# KiCad board SparkFun_Qwiic_WAV_Trigger_Pro_panelized.kicad_pcb (continued)
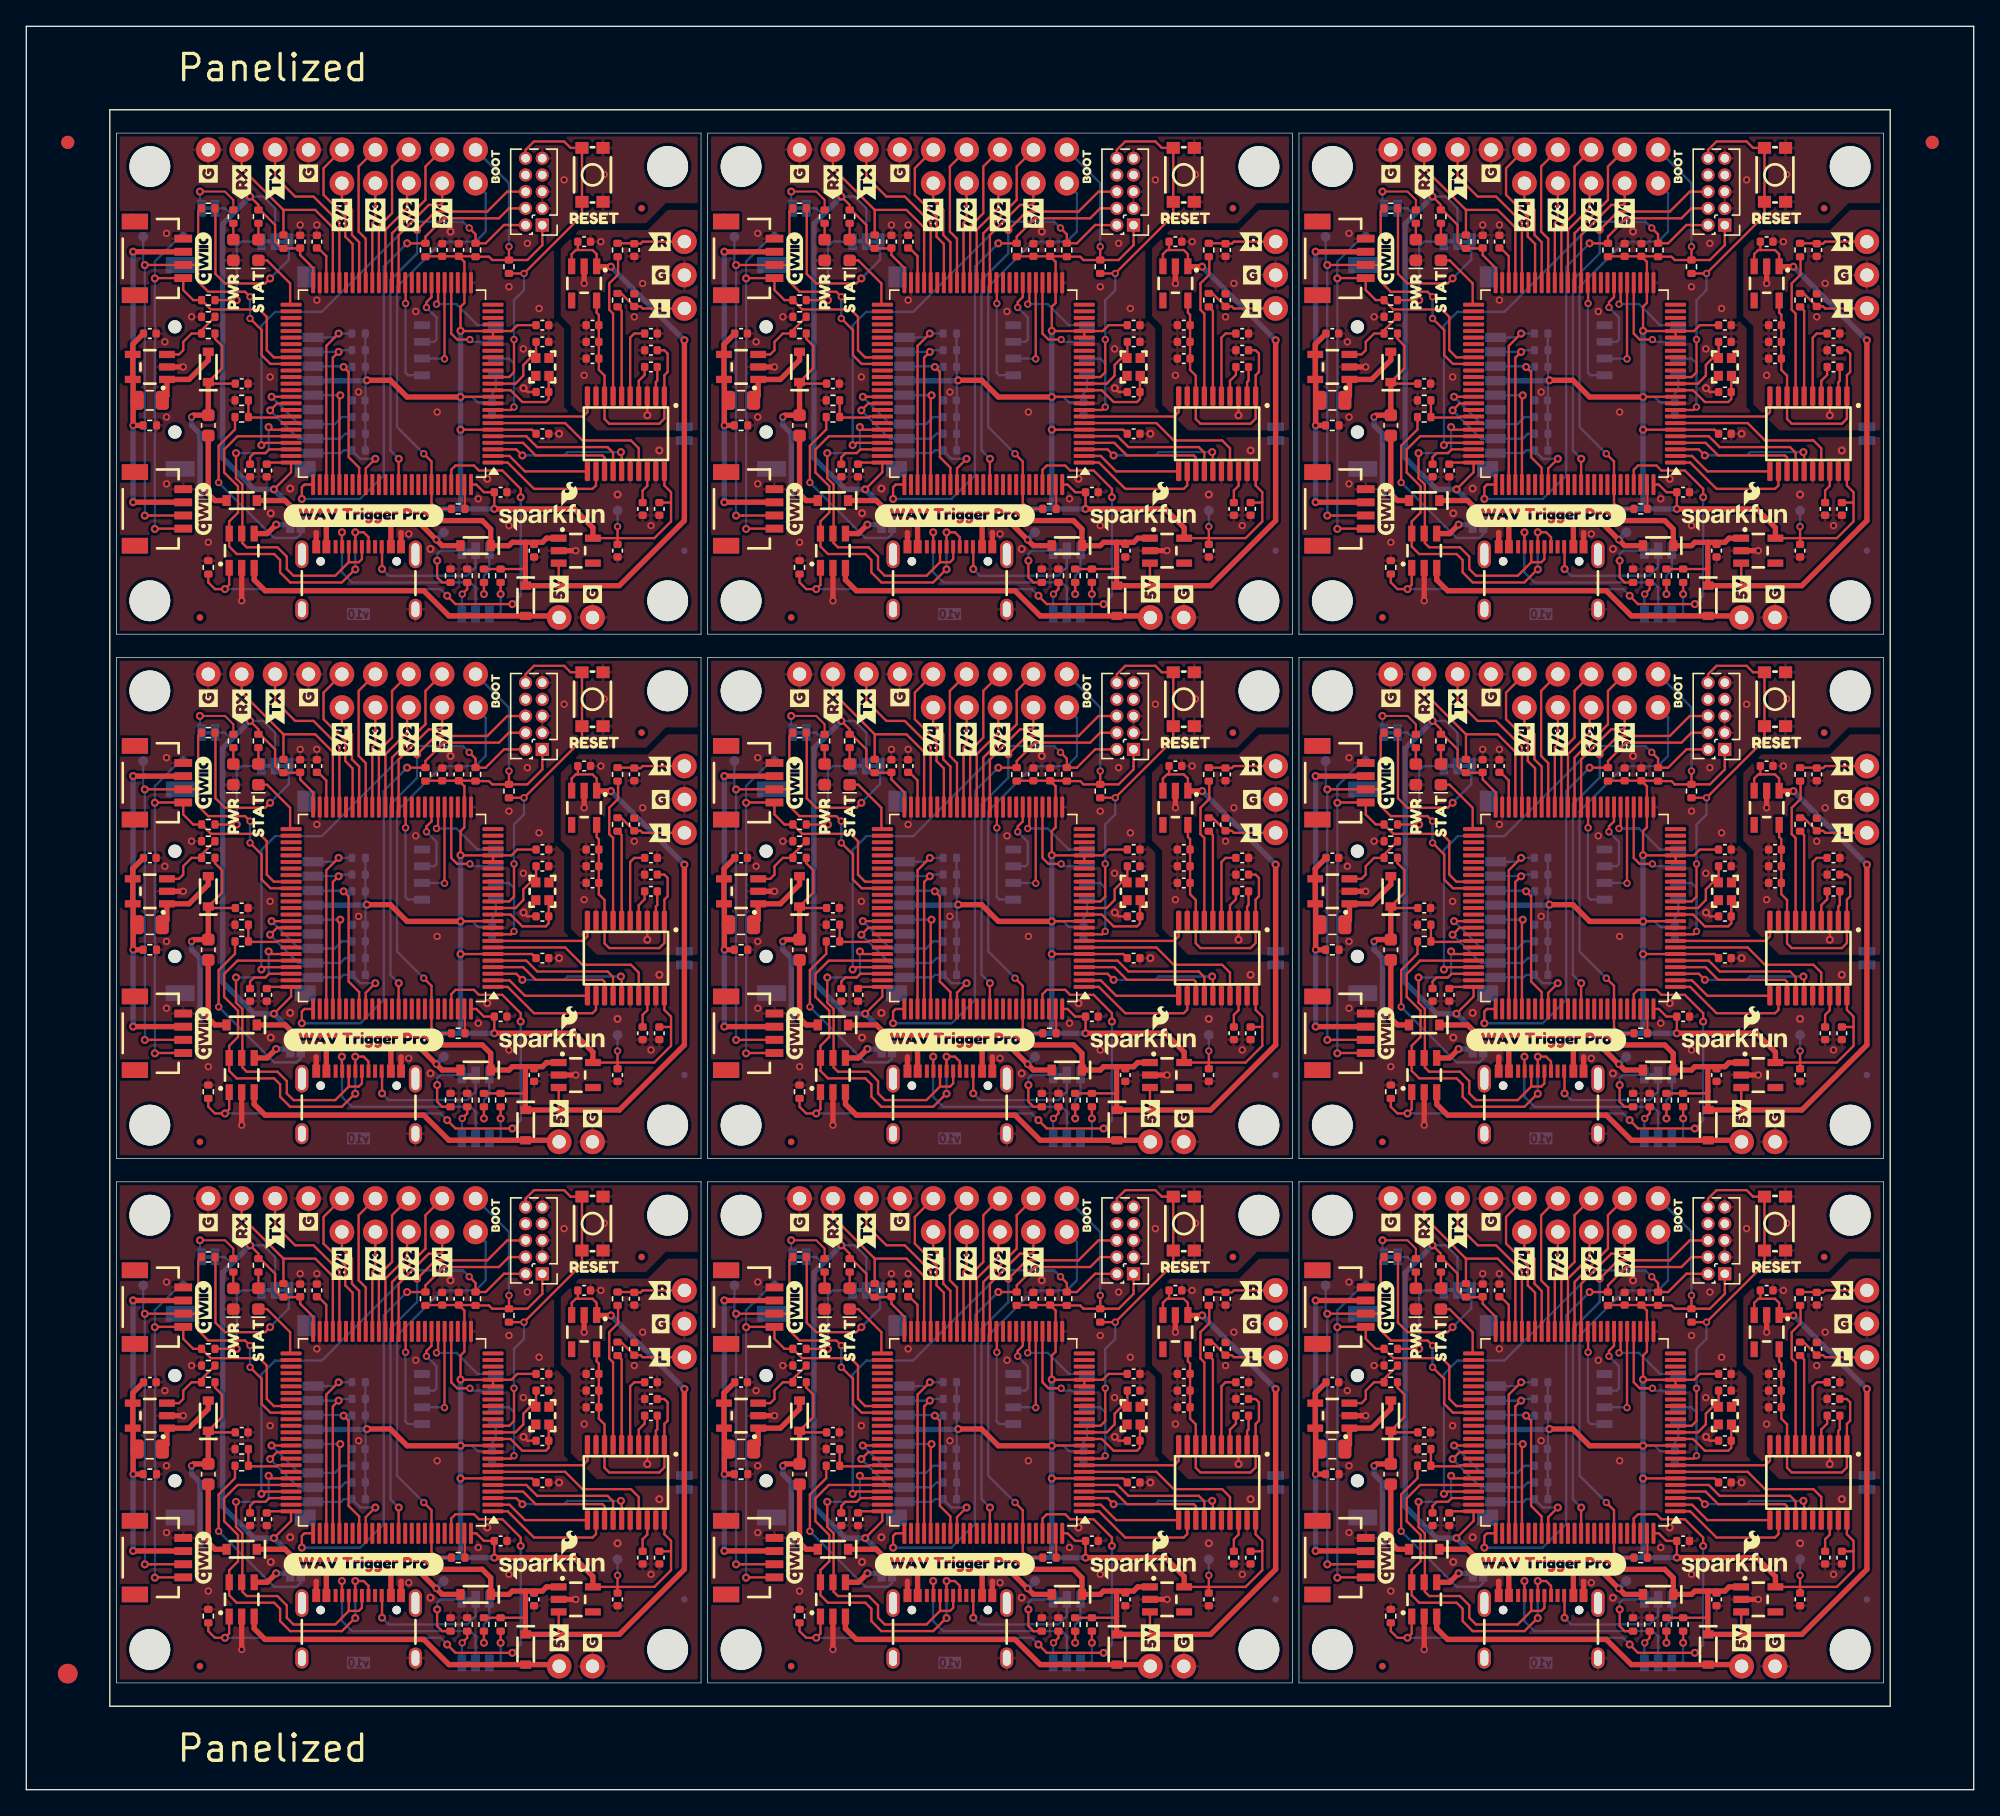
[diagram p0: board, top side]
## Placement (name value [footprint] x y rotation side) (continued)
kibuzzard-66465CD3#6  G***  [kibuzzard-66465CD3]  138.12 115.17 180 bottom
kibuzzard-66465CD3#7  G***  [kibuzzard-66465CD3]  48.22 115.17 180 bottom
kibuzzard-66465CD3#8  G***  [kibuzzard-66465CD3]  138.12 75.3 180 bottom
kibuzzard-66465CD3#9  G***  [kibuzzard-66465CD3]  48.22 35.43 180 bottom
kibuzzard-664651A6  G***  [kibuzzard-664651A6]  61.33 122.15 90 bottom
kibuzzard-664651A6#2  G***  [kibuzzard-664651A6]  106.27 82.28 90 bottom
kibuzzard-664651A6#3  G***  [kibuzzard-664651A6]  16.38 122.15 90 bottom
kibuzzard-664651A6#4  G***  [kibuzzard-664651A6]  61.33 42.41 90 bottom
kibuzzard-664651A6#5  G***  [kibuzzard-664651A6]  16.38 82.28 90 bottom
kibuzzard-664651A6#6  G***  [kibuzzard-664651A6]  61.33 82.28 90 bottom
kibuzzard-664651A6#7  G***  [kibuzzard-664651A6]  106.27 42.41 90 bottom
kibuzzard-664651A6#8  G***  [kibuzzard-664651A6]  106.27 122.15 90 bottom
kibuzzard-664651A6#9  G***  [kibuzzard-664651A6]  16.38 42.41 90 bottom
kibuzzard-664651EE  G***  [kibuzzard-664651EE]  43.05 51.04 90 bottom
kibuzzard-664651EE#2  G***  [kibuzzard-664651EE]  43.05 90.91 90 bottom
kibuzzard-664651EE#3  G***  [kibuzzard-664651EE]  87.99 11.17 90 bottom
kibuzzard-664651EE#4  G***  [kibuzzard-664651EE]  87.99 51.04 90 bottom
kibuzzard-664651EE#5  G***  [kibuzzard-664651EE]  87.99 90.91 90 bottom
kibuzzard-664651EE#6  G***  [kibuzzard-664651EE]  132.94 51.04 90 bottom
kibuzzard-664651EE#7  G***  [kibuzzard-664651EE]  132.94 90.91 90 bottom
kibuzzard-664651EE#8  G***  [kibuzzard-664651EE]  132.94 11.17 90 bottom
kibuzzard-664651EE#9  G***  [kibuzzard-664651EE]  43.05 11.17 90 bottom
kibuzzard-6646520F  G***  [kibuzzard-6646520F]  85.45 11.55 90 bottom
kibuzzard-6646520F#2  G***  [kibuzzard-6646520F]  40.51 51.42 90 bottom
kibuzzard-6646520F#3  G***  [kibuzzard-6646520F]  40.51 91.29 90 bottom
kibuzzard-6646520F#4  G***  [kibuzzard-6646520F]  85.45 51.42 90 bottom
kibuzzard-6646520F#5  G***  [kibuzzard-6646520F]  85.45 91.29 90 bottom
kibuzzard-6646520F#6  G***  [kibuzzard-6646520F]  130.41 11.55 90 bottom
kibuzzard-6646520F#7  G***  [kibuzzard-6646520F]  130.41 51.42 90 bottom
kibuzzard-6646520F#8  G***  [kibuzzard-6646520F]  130.41 91.29 90 bottom
kibuzzard-6646520F#9  G***  [kibuzzard-6646520F]  40.51 11.55 90 bottom
kibuzzard-66465103  G***  [kibuzzard-66465103]  66.41 43.17 90 bottom
kibuzzard-66465103#2  G***  [kibuzzard-66465103]  21.45 83.04 90 bottom
kibuzzard-66465103#3  G***  [kibuzzard-66465103]  21.45 122.91 90 bottom
kibuzzard-66465103#4  G***  [kibuzzard-66465103]  111.36 43.17 90 bottom
kibuzzard-66465103#5  G***  [kibuzzard-66465103]  111.36 83.04 90 bottom
kibuzzard-66465103#6  G***  [kibuzzard-66465103]  111.36 122.91 90 bottom
kibuzzard-66465103#7  G***  [kibuzzard-66465103]  66.41 83.04 90 bottom
kibuzzard-66465103#8  G***  [kibuzzard-66465103]  66.41 122.91 90 bottom
kibuzzard-66465103#9  G***  [kibuzzard-66465103]  21.45 43.17 90 bottom
kibuzzard-66465103#10  G***  [kibuzzard-66465103]  13.83 82.99 90 bottom
kibuzzard-66465103#11  G***  [kibuzzard-66465103]  58.79 43.12 90 bottom
kibuzzard-66465103#12  G***  [kibuzzard-66465103]  58.79 82.99 90 bottom
kibuzzard-66465103#13  G***  [kibuzzard-66465103]  13.83 122.86 90 bottom
kibuzzard-66465103#14  G***  [kibuzzard-66465103]  103.73 82.99 90 bottom
kibuzzard-66465103#15  G***  [kibuzzard-66465103]  58.79 122.86 90 bottom
kibuzzard-66465103#16  G***  [kibuzzard-66465103]  103.73 122.86 90 bottom
kibuzzard-66465103#17  G***  [kibuzzard-66465103]  103.73 43.12 90 bottom
kibuzzard-66465103#18  G***  [kibuzzard-66465103]  13.83 43.12 90 bottom
kibuzzard-66465190  G***  [kibuzzard-66465190]  63.86 82.28 90 bottom
kibuzzard-66465190#2  G***  [kibuzzard-66465190]  108.82 42.41 90 bottom
kibuzzard-66465190#3  G***  [kibuzzard-66465190]  108.82 82.28 90 bottom
kibuzzard-66465190#4  G***  [kibuzzard-66465190]  108.82 122.15 90 bottom
kibuzzard-66465190#5  G***  [kibuzzard-66465190]  18.92 122.15 90 bottom
kibuzzard-66465190#6  G***  [kibuzzard-66465190]  63.86 122.15 90 bottom
kibuzzard-66465190#7  G***  [kibuzzard-66465190]  18.92 82.28 90 bottom
kibuzzard-66465190#8  G***  [kibuzzard-66465190]  63.86 42.41 90 bottom
kibuzzard-66465190#9  G***  [kibuzzard-66465190]  18.92 42.41 90 bottom
L1  10uH  [C_0805_2012Metric]  54.34 105.64 0 top
L1#2  10uH  [C_0805_2012Metric]  54.34 25.9 0 top
L1#3  10uH  [C_0805_2012Metric]  54.34 65.77 0 top
L1#4  10uH  [C_0805_2012Metric]  9.39 65.77 0 top
L1#5  10uH  [C_0805_2012Metric]  9.39 105.64 0 top
L1#6  10uH  [C_0805_2012Metric]  99.29 25.9 0 top
L1#7  10uH  [C_0805_2012Metric]  99.29 105.64 0 top
L1#8  10uH  [C_0805_2012Metric]  99.29 65.77 0 top
L1#9  10uH  [C_0805_2012Metric]  9.39 25.9 0 top
L2  30Ω  [C_0603_1608Metric]  58.79 103.73 270 top
L2#2  30Ω  [C_0603_1608Metric]  13.83 63.86 270 top
L2#3  30Ω  [C_0603_1608Metric]  13.83 103.73 270 top
L2#4  30Ω  [C_0603_1608Metric]  58.79 23.99 270 top
L2#5  30Ω  [C_0603_1608Metric]  58.79 63.86 270 top
L2#6  30Ω  [C_0603_1608Metric]  103.73 63.86 270 top
L2#7  30Ω  [C_0603_1608Metric]  103.73 103.73 270 top
L2#8  30Ω  [C_0603_1608Metric]  103.73 23.99 270 top
L2#9  30Ω  [C_0603_1608Metric]  13.83 23.99 270 top
NOREF  -  [Fiducial_1.5mm_Mask3mm]  3.15 8.82 0 top
NOREF#2  -  [Fiducial_1mm_Mask3mm]  144.9 125.25 0 top
NOREF#3  -  [Fiducial_1mm_Mask3mm]  3.15 125.25 0 top
NOREF#4  -  [Fiducial_1mm_Mask3mm]  3.15 125.25 0 bottom
NOREF#5  -  [Fiducial_1.5mm_Mask3mm]  3.15 8.82 0 bottom
NOREF#6  -  [Fiducial_1mm_Mask3mm]  144.9 125.25 0 bottom
R1  10k  [R_0402_1005Metric]  13.83 53.07 90 top
R1#2  10k  [R_0402_1005Metric]  58.79 13.2 90 top
R1#3  10k  [R_0402_1005Metric]  58.79 92.94 90 top
R1#4  10k  [R_0402_1005Metric]  103.73 13.2 90 top
R1#5  10k  [R_0402_1005Metric]  58.79 53.07 90 top
R1#6  10k  [R_0402_1005Metric]  103.73 92.94 90 top
R1#7  10k  [R_0402_1005Metric]  13.83 92.94 90 top
R1#8  10k  [R_0402_1005Metric]  103.73 53.07 90 top
R1#9  10k  [R_0402_1005Metric]  13.83 13.2 90 top
R2  56k  [R_0402_1005Metric]  124.69 12.56 90 top
R2#2  56k  [R_0402_1005Metric]  34.79 52.43 90 top
R2#3  56k  [R_0402_1005Metric]  79.74 92.3 90 top
R2#4  56k  [R_0402_1005Metric]  79.74 52.43 90 top
R2#5  56k  [R_0402_1005Metric]  34.79 92.3 90 top
R2#6  56k  [R_0402_1005Metric]  79.74 12.56 90 top
R2#7  56k  [R_0402_1005Metric]  124.69 92.3 90 top
R2#8  56k  [R_0402_1005Metric]  124.69 52.43 90 top
R2#9  56k  [R_0402_1005Metric]  34.79 12.56 90 top
R3  5.1k  [R_0402_1005Metric]  77.2 92.3 90 top
R3#2  5.1k  [R_0402_1005Metric]  77.2 12.56 90 top
R3#3  5.1k  [R_0402_1005Metric]  32.25 92.3 90 top
R3#4  5.1k  [R_0402_1005Metric]  32.25 52.43 90 top
R3#5  5.1k  [R_0402_1005Metric]  77.2 52.43 90 top
R3#6  5.1k  [R_0402_1005Metric]  122.15 12.56 90 top
R3#7  5.1k  [R_0402_1005Metric]  122.15 52.43 90 top
R3#8  5.1k  [R_0402_1005Metric]  122.15 92.3 90 top
R3#9  5.1k  [R_0402_1005Metric]  32.25 12.56 90 top
R4  56k  [R_0402_1005Metric]  36.06 92.3 90 top
R4#2  56k  [R_0402_1005Metric]  81.01 52.43 90 top
R4#3  56k  [R_0402_1005Metric]  36.06 52.43 90 top
R4#4  56k  [R_0402_1005Metric]  81.01 12.56 90 top
R4#5  56k  [R_0402_1005Metric]  81.01 92.3 90 top
R4#6  56k  [R_0402_1005Metric]  125.96 12.56 90 top
R4#7  56k  [R_0402_1005Metric]  125.96 52.43 90 top
R4#8  56k  [R_0402_1005Metric]  125.96 92.3 90 top
R4#9  56k  [R_0402_1005Metric]  36.06 12.56 90 top
R5  5.1k  [R_0402_1005Metric]  78.47 92.3 90 top
R5#2  5.1k  [R_0402_1005Metric]  33.52 52.43 90 top
R5#3  5.1k  [R_0402_1005Metric]  33.52 92.3 90 top
R5#4  5.1k  [R_0402_1005Metric]  78.47 12.56 90 top
R5#5  5.1k  [R_0402_1005Metric]  78.47 52.43 90 top
R5#6  5.1k  [R_0402_1005Metric]  123.42 52.43 90 top
R5#7  5.1k  [R_0402_1005Metric]  123.42 92.3 90 top
R5#8  5.1k  [R_0402_1005Metric]  123.42 12.56 90 top
R5#9  5.1k  [R_0402_1005Metric]  33.52 12.56 90 top
R6  4.7k  [R_0402_1005Metric]  60.69 119.61 270 top
R6#2  4.7k  [R_0402_1005Metric]  60.69 39.87 270 top
R6#3  4.7k  [R_0402_1005Metric]  60.69 79.74 270 top
R6#4  4.7k  [R_0402_1005Metric]  15.74 119.61 270 top
R6#5  4.7k  [R_0402_1005Metric]  15.74 79.74 270 top
R6#6  4.7k  [R_0402_1005Metric]  105.64 79.74 270 top
R6#7  4.7k  [R_0402_1005Metric]  105.64 39.87 270 top
R6#8  4.7k  [R_0402_1005Metric]  105.64 119.61 270 top
R6#9  4.7k  [R_0402_1005Metric]  15.74 39.87 270 top
R7  100k  [R_0402_1005Metric]  36.7 115.8 270 top
R7#2  100k  [R_0402_1005Metric]  126.6 36.06 270 top
R7#3  100k  [R_0402_1005Metric]  36.7 75.93 270 top
R7#4  100k  [R_0402_1005Metric]  81.64 36.06 270 top
R7#5  100k  [R_0402_1005Metric]  81.64 75.93 270 top
R7#6  100k  [R_0402_1005Metric]  81.64 115.8 270 top
R7#7  100k  [R_0402_1005Metric]  126.6 75.93 270 top
R7#8  100k  [R_0402_1005Metric]  126.6 115.8 270 top
R7#9  100k  [R_0402_1005Metric]  36.7 36.06 270 top
R8  10k  [R_0402_1005Metric]  122.73 97.38 0 top
R8#2  10k  [R_0402_1005Metric]  32.83 57.52 0 top
R8#3  10k  [R_0402_1005Metric]  77.78 17.64 0 top
R8#4  10k  [R_0402_1005Metric]  77.78 57.52 0 top
R8#5  10k  [R_0402_1005Metric]  32.83 97.38 0 top
R8#6  10k  [R_0402_1005Metric]  77.78 97.38 0 top
R8#7  10k  [R_0402_1005Metric]  122.73 17.64 0 top
R8#8  10k  [R_0402_1005Metric]  122.73 57.52 0 top
R8#9  10k  [R_0402_1005Metric]  32.83 17.64 0 top
R9  10k  [R_0402_1005Metric]  25.27 68.31 180 bottom
R9#2  10k  [R_0402_1005Metric]  70.21 28.44 180 bottom
R9#3  10k  [R_0402_1005Metric]  25.27 108.18 180 bottom
R9#4  10k  [R_0402_1005Metric]  70.21 68.31 180 bottom
R9#5  10k  [R_0402_1005Metric]  70.21 108.18 180 bottom
R9#6  10k  [R_0402_1005Metric]  115.17 28.44 180 bottom
R9#7  10k  [R_0402_1005Metric]  115.17 108.18 180 bottom
R9#8  10k  [R_0402_1005Metric]  115.17 68.31 180 bottom
R9#9  10k  [R_0402_1005Metric]  25.27 28.44 180 bottom
R10  100k  [R_0402_1005Metric]  25.27 64.5 180 bottom
R10#2  100k  [R_0402_1005Metric]  70.21 104.37 180 bottom
R10#3  100k  [R_0402_1005Metric]  115.17 24.63 180 bottom
R10#4  100k  [R_0402_1005Metric]  115.17 104.37 180 bottom
R10#5  100k  [R_0402_1005Metric]  115.17 64.5 180 bottom
R10#6  100k  [R_0402_1005Metric]  25.27 104.37 180 bottom
R10#7  100k  [R_0402_1005Metric]  70.21 64.5 180 bottom
R10#8  100k  [R_0402_1005Metric]  70.21 24.63 180 bottom
R10#9  100k  [R_0402_1005Metric]  25.27 24.63 180 bottom
R11  2.2k  [R_0402_1005Metric]  58.79 73.39 180 top
R11#2  2.2k  [R_0402_1005Metric]  13.83 73.39 180 top
R11#3  2.2k  [R_0402_1005Metric]  103.73 73.39 180 top
R11#4  2.2k  [R_0402_1005Metric]  58.79 33.52 180 top
R11#5  2.2k  [R_0402_1005Metric]  103.73 113.26 180 top
R11#6  2.2k  [R_0402_1005Metric]  58.79 113.26 180 top
R11#7  2.2k  [R_0402_1005Metric]  103.73 33.52 180 top
R11#8  2.2k  [R_0402_1005Metric]  13.83 113.26 180 top
R11#9  2.2k  [R_0402_1005Metric]  13.83 33.52 180 top
R12  100k  [R_0402_1005Metric]  115.17 103.1 180 bottom
R12#2  100k  [R_0402_1005Metric]  25.27 103.1 180 bottom
R12#3  100k  [R_0402_1005Metric]  70.21 23.36 180 bottom
R12#4  100k  [R_0402_1005Metric]  70.21 103.1 180 bottom
R12#5  100k  [R_0402_1005Metric]  115.17 23.36 180 bottom
R12#6  100k  [R_0402_1005Metric]  70.21 63.23 180 bottom
R12#7  100k  [R_0402_1005Metric]  115.17 63.23 180 bottom
R12#8  100k  [R_0402_1005Metric]  25.27 63.23 180 bottom
R12#9  100k  [R_0402_1005Metric]  25.27 23.36 180 bottom
R13  100k  [R_0402_1005Metric]  70.21 110.72 180 bottom
R13#2  100k  [R_0402_1005Metric]  25.27 110.72 180 bottom
R13#3  100k  [R_0402_1005Metric]  25.27 70.85 180 bottom
R13#4  100k  [R_0402_1005Metric]  115.17 30.98 180 bottom
R13#5  100k  [R_0402_1005Metric]  70.21 30.98 180 bottom
R13#6  100k  [R_0402_1005Metric]  70.21 70.85 180 bottom
R13#7  100k  [R_0402_1005Metric]  115.17 110.72 180 bottom
R13#8  100k  [R_0402_1005Metric]  115.17 70.85 180 bottom
R13#9  100k  [R_0402_1005Metric]  25.27 30.98 180 bottom
R14  100k  [R_0402_1005Metric]  25.27 69.58 180 bottom
R14#2  100k  [R_0402_1005Metric]  25.27 109.45 180 bottom
R14#3  100k  [R_0402_1005Metric]  70.21 29.71 180 bottom
R14#4  100k  [R_0402_1005Metric]  115.17 69.58 180 bottom
R14#5  100k  [R_0402_1005Metric]  115.17 109.45 180 bottom
R14#6  100k  [R_0402_1005Metric]  70.21 69.58 180 bottom
R14#7  100k  [R_0402_1005Metric]  70.21 109.45 180 bottom
R14#8  100k  [R_0402_1005Metric]  115.17 29.71 180 bottom
R14#9  100k  [R_0402_1005Metric]  25.27 29.71 180 bottom
R15  2.2k  [R_0402_1005Metric]  13.83 80.38 180 top
R15#2  2.2k  [R_0402_1005Metric]  13.83 120.24 180 top
R15#3  2.2k  [R_0402_1005Metric]  58.79 40.5 180 top
R15#4  2.2k  [R_0402_1005Metric]  58.79 80.38 180 top
R15#5  2.2k  [R_0402_1005Metric]  58.79 120.24 180 top
R15#6  2.2k  [R_0402_1005Metric]  103.73 40.5 180 top
R15#7  2.2k  [R_0402_1005Metric]  103.73 80.38 180 top
R15#8  2.2k  [R_0402_1005Metric]  103.73 120.24 180 top
R15#9  2.2k  [R_0402_1005Metric]  13.83 40.5 180 top
R16  10k  [R_0402_1005Metric]  115.17 22.09 180 bottom
R16#2  10k  [R_0402_1005Metric]  70.21 22.09 180 bottom
R16#3  10k  [R_0402_1005Metric]  70.21 101.83 180 bottom
R16#4  10k  [R_0402_1005Metric]  25.27 61.96 180 bottom
R16#5  10k  [R_0402_1005Metric]  25.27 101.83 180 bottom
R16#6  10k  [R_0402_1005Metric]  70.21 61.96 180 bottom
R16#7  10k  [R_0402_1005Metric]  115.17 61.96 180 bottom
R16#8  10k  [R_0402_1005Metric]  115.17 101.83 180 bottom
R16#9  10k  [R_0402_1005Metric]  25.27 22.09 180 bottom
R17  10k  [R_0402_1005Metric]  19.55 117.7 90 top
R17#2  10k  [R_0402_1005Metric]  109.45 77.83 90 top
R17#3  10k  [R_0402_1005Metric]  19.55 77.83 90 top
R17#4  10k  [R_0402_1005Metric]  64.5 117.7 90 top
R17#5  10k  [R_0402_1005Metric]  109.45 37.96 90 top
R17#6  10k  [R_0402_1005Metric]  64.5 37.96 90 top
R17#7  10k  [R_0402_1005Metric]  64.5 77.83 90 top
R17#8  10k  [R_0402_1005Metric]  109.45 117.7 90 top
R17#9  10k  [R_0402_1005Metric]  19.55 37.96 90 top
R18  100k  [R_0402_1005Metric]  75.3 77.2 90 top
R18#2  100k  [R_0402_1005Metric]  75.3 117.07 90 top
R18#3  100k  [R_0402_1005Metric]  120.24 37.33 90 top
R18#4  100k  [R_0402_1005Metric]  120.24 77.2 90 top
R18#5  100k  [R_0402_1005Metric]  30.35 77.2 90 top
R18#6  100k  [R_0402_1005Metric]  75.3 37.33 90 top
R18#7  100k  [R_0402_1005Metric]  120.24 117.07 90 top
R18#8  100k  [R_0402_1005Metric]  30.35 117.07 90 top
R18#9  100k  [R_0402_1005Metric]  30.35 37.33 90 top
R19  1k  [R_0402_1005Metric]  62.6 119.61 270 top
R19#2  1k  [R_0402_1005Metric]  107.55 39.87 270 top
R19#3  1k  [R_0402_1005Metric]  107.55 79.74 270 top
R19#4  1k  [R_0402_1005Metric]  107.55 119.61 270 top
R19#5  1k  [R_0402_1005Metric]  62.6 79.74 270 top
R19#6  1k  [R_0402_1005Metric]  17.64 119.61 270 top
R19#7  1k  [R_0402_1005Metric]  17.64 79.74 270 top
R19#8  1k  [R_0402_1005Metric]  62.6 39.87 270 top
R19#9  1k  [R_0402_1005Metric]  17.64 39.87 270 top
R20  100k  [R_0402_1005Metric]  79.11 117.07 90 top
R20#2  100k  [R_0402_1005Metric]  34.16 77.2 90 top
R20#3  100k  [R_0402_1005Metric]  34.16 117.07 90 top
R20#4  100k  [R_0402_1005Metric]  79.11 37.33 90 top
R20#5  100k  [R_0402_1005Metric]  79.11 77.2 90 top
R20#6  100k  [R_0402_1005Metric]  124.05 37.33 90 top
R20#7  100k  [R_0402_1005Metric]  124.05 77.2 90 top
R20#8  100k  [R_0402_1005Metric]  124.05 117.07 90 top
R20#9  100k  [R_0402_1005Metric]  34.16 37.33 90 top
R21  10k  [R_0402_1005Metric]  134.85 33.52 270 top
R21#2  10k  [R_0402_1005Metric]  44.95 113.26 270 top
R21#3  10k  [R_0402_1005Metric]  89.9 73.39 270 top
R21#4  10k  [R_0402_1005Metric]  89.9 113.26 270 top
R21#5  10k  [R_0402_1005Metric]  134.85 73.39 270 top
R21#6  10k  [R_0402_1005Metric]  44.95 73.39 270 top
R21#7  10k  [R_0402_1005Metric]  89.9 33.52 270 top
R21#8  10k  [R_0402_1005Metric]  134.85 113.26 270 top
R21#9  10k  [R_0402_1005Metric]  44.95 33.52 270 top
R22  10k  [R_0402_1005Metric]  89.9 117.07 270 top
R22#2  10k  [R_0402_1005Metric]  89.9 37.33 270 top
R22#3  10k  [R_0402_1005Metric]  134.85 117.07 270 top
R22#4  10k  [R_0402_1005Metric]  134.85 37.33 270 top
R22#5  10k  [R_0402_1005Metric]  44.95 77.2 270 top
R22#6  10k  [R_0402_1005Metric]  44.95 117.07 270 top
R22#7  10k  [R_0402_1005Metric]  89.9 77.2 270 top
R22#8  10k  [R_0402_1005Metric]  134.85 77.2 270 top
R22#9  10k  [R_0402_1005Metric]  44.95 37.33 270 top
R23  100k  [R_0402_1005Metric]  13.83 110.72 180 top
R23#2  100k  [R_0402_1005Metric]  103.73 30.98 180 top
R23#3  100k  [R_0402_1005Metric]  13.83 70.85 180 top
R23#4  100k  [R_0402_1005Metric]  58.79 70.85 180 top
R23#5  100k  [R_0402_1005Metric]  58.79 110.72 180 top
R23#6  100k  [R_0402_1005Metric]  103.73 70.85 180 top
R23#7  100k  [R_0402_1005Metric]  58.79 30.98 180 top
R23#8  100k  [R_0402_1005Metric]  103.73 110.72 180 top
R23#9  100k  [R_0402_1005Metric]  13.83 30.98 180 top
R24  33k  [R_0402_1005Metric]  13.83 111.99 180 top
R24#2  33k  [R_0402_1005Metric]  58.79 111.99 180 top
R24#3  33k  [R_0402_1005Metric]  103.73 72.12 180 top
R24#4  33k  [R_0402_1005Metric]  103.73 32.25 180 top
R24#5  33k  [R_0402_1005Metric]  58.79 32.25 180 top
R24#6  33k  [R_0402_1005Metric]  13.83 72.12 180 top
R24#7  33k  [R_0402_1005Metric]  58.79 72.12 180 top
R24#8  33k  [R_0402_1005Metric]  103.73 111.99 180 top
R24#9  33k  [R_0402_1005Metric]  13.83 32.25 180 top
R25  100k  [R_0402_1005Metric]  9.39 103.73 0 top
R25#2  100k  [R_0402_1005Metric]  99.29 103.73 0 top
R25#3  100k  [R_0402_1005Metric]  99.29 23.99 0 top
R25#4  100k  [R_0402_1005Metric]  54.34 103.73 0 top
R25#5  100k  [R_0402_1005Metric]  9.39 63.86 0 top
R25#6  100k  [R_0402_1005Metric]  54.34 23.99 0 top
R25#7  100k  [R_0402_1005Metric]  54.34 63.86 0 top
R25#8  100k  [R_0402_1005Metric]  99.29 63.86 0 top
R25#9  100k  [R_0402_1005Metric]  9.39 23.99 0 top
R26  560  [R_0402_1005Metric]  106.27 24.63 180 top
R26#2  560  [R_0402_1005Metric]  106.27 64.5 180 top
R26#3  560  [R_0402_1005Metric]  61.33 24.63 180 top
R26#4  560  [R_0402_1005Metric]  61.33 64.5 180 top
R26#5  560  [R_0402_1005Metric]  106.27 104.37 180 top
R26#6  560  [R_0402_1005Metric]  16.38 64.5 180 top
R26#7  560  [R_0402_1005Metric]  16.38 104.37 180 top
R26#8  560  [R_0402_1005Metric]  61.33 104.37 180 top
R26#9  560  [R_0402_1005Metric]  16.38 24.63 180 top
R27  680  [R_0402_1005Metric]  16.38 65.77 0 top
R27#2  680  [R_0402_1005Metric]  61.33 25.9 0 top
R27#3  680  [R_0402_1005Metric]  16.38 105.64 0 top
R27#4  680  [R_0402_1005Metric]  61.33 65.77 0 top
R27#5  680  [R_0402_1005Metric]  106.27 25.9 0 top
R27#6  680  [R_0402_1005Metric]  106.27 65.77 0 top
R27#7  680  [R_0402_1005Metric]  106.27 105.64 0 top
R27#8  680  [R_0402_1005Metric]  61.33 105.64 0 top
R27#9  680  [R_0402_1005Metric]  16.38 25.9 0 top
Ref**  Val**  [OSHW_Logo_2.5mm]  42.41 74.28 90 bottom
Ref**#2  Val**  [OSHW_Logo_2.5mm]  87.36 74.28 90 bottom
Ref**#3  Val**  [OSHW_Logo_2.5mm]  132.31 34.41 90 bottom
Ref**#4  Val**  [OSHW_Logo_2.5mm]  132.31 74.28 90 bottom
Ref**#5  Val**  [OSHW_Logo_2.5mm]  87.36 114.15 90 bottom
Ref**#6  Val**  [OSHW_Logo_2.5mm]  132.31 114.15 90 bottom
Ref**#7  Val**  [OSHW_Logo_2.5mm]  42.41 114.15 90 bottom
Ref**#8  Val**  [OSHW_Logo_2.5mm]  87.36 34.41 90 bottom
Ref**#9  Val**  [OSHW_Logo_2.5mm]  42.41 34.41 90 bottom
ST1  -  [Standoff]  54.34 10.66 0 top
ST1#2  -  [Standoff]  99.29 10.66 0 top
ST1#3  -  [Standoff]  9.39 90.4 0 top
ST1#4  -  [Standoff]  99.29 50.53 0 top
ST1#5  -  [Standoff]  9.39 50.53 0 top
ST1#6  -  [Standoff]  99.29 90.4 0 top
ST1#7  -  [Standoff]  54.34 90.4 0 top
ST1#8  -  [Standoff]  54.34 50.53 0 top
ST1#9  -  [Standoff]  9.39 10.66 0 top
ST2  -  [Standoff]  93.71 50.53 0 top
ST2#2  -  [Standoff]  48.76 90.4 0 top
ST2#3  -  [Standoff]  93.71 10.66 0 top
ST2#4  -  [Standoff]  138.66 90.4 0 top
ST2#5  -  [Standoff]  93.71 90.4 0 top
ST2#6  -  [Standoff]  138.66 50.53 0 top
ST2#7  -  [Standoff]  48.76 50.53 0 top
ST2#8  -  [Standoff]  138.66 10.66 0 top
ST2#9  -  [Standoff]  48.76 10.66 0 top
ST3  -  [Standoff]  138.66 83.55 0 top
ST3#2  -  [Standoff]  93.71 123.42 0 top
ST3#3  -  [Standoff]  48.76 83.55 0 top
ST3#4  -  [Standoff]  138.66 43.68 0 top
ST3#5  -  [Standoff]  93.71 43.68 0 top
ST3#6  -  [Standoff]  93.71 83.55 0 top
ST3#7  -  [Standoff]  138.66 123.42 0 top
ST3#8  -  [Standoff]  48.76 123.42 0 top
ST3#9  -  [Standoff]  48.76 43.68 0 top
ST4  -  [Standoff]  9.39 83.55 0 top
ST4#2  -  [Standoff]  54.34 123.42 0 top
ST4#3  -  [Standoff]  99.29 123.42 0 top
ST4#4  -  [Standoff]  99.29 83.55 0 top
ST4#5  -  [Standoff]  54.34 83.55 0 top
ST4#6  -  [Standoff]  9.39 123.42 0 top
ST4#7  -  [Standoff]  54.34 43.68 0 top
ST4#8  -  [Standoff]  99.29 43.68 0 top
ST4#9  -  [Standoff]  9.39 43.68 0 top
SW1  SMD_4.6x2.8mm_h2.5mm  [Push_SMD_4.6x2.8mm_h2.5mm]  43.05 82.91 90 top
SW1#2  SMD_4.6x2.8mm_h2.5mm  [Push_SMD_4.6x2.8mm_h2.5mm]  43.05 122.78 90 top
SW1#3  SMD_4.6x2.8mm_h2.5mm  [Push_SMD_4.6x2.8mm_h2.5mm]  87.99 43.04 90 top
SW1#4  SMD_4.6x2.8mm_h2.5mm  [Push_SMD_4.6x2.8mm_h2.5mm]  132.94 82.91 90 top
SW1#5  SMD_4.6x2.8mm_h2.5mm  [Push_SMD_4.6x2.8mm_h2.5mm]  132.94 43.04 90 top
SW1#6  SMD_4.6x2.8mm_h2.5mm  [Push_SMD_4.6x2.8mm_h2.5mm]  87.99 82.91 90 top
SW1#7  SMD_4.6x2.8mm_h2.5mm  [Push_SMD_4.6x2.8mm_h2.5mm]  132.94 122.78 90 top
SW1#8  SMD_4.6x2.8mm_h2.5mm  [Push_SMD_4.6x2.8mm_h2.5mm]  87.99 122.78 90 top
SW1#9  SMD_4.6x2.8mm_h2.5mm  [Push_SMD_4.6x2.8mm_h2.5mm]  43.05 43.04 90 top
TP1  0.75mm  [TestPoint-0.75mm]  58.15 58.78 180 bottom
TP1#2  0.75mm  [TestPoint-0.75mm]  58.15 18.91 180 bottom
TP1#3  0.75mm  [TestPoint-0.75mm]  103.1 58.78 180 bottom
TP1#4  0.75mm  [TestPoint-0.75mm]  13.2 58.78 180 bottom
TP1#5  0.75mm  [TestPoint-0.75mm]  58.15 98.66 180 bottom
TP1#6  0.75mm  [TestPoint-0.75mm]  103.1 18.91 180 bottom
TP1#7  0.75mm  [TestPoint-0.75mm]  103.1 98.66 180 bottom
TP1#8  0.75mm  [TestPoint-0.75mm]  13.2 98.66 180 bottom
TP1#9  0.75mm  [TestPoint-0.75mm]  13.2 18.91 180 bottom
TP2  0.75mm  [TestPoint-0.75mm]  44.95 57.39 180 bottom
TP2#2  0.75mm  [TestPoint-0.75mm]  89.9 17.52 180 bottom
TP2#3  0.75mm  [TestPoint-0.75mm]  89.9 57.39 180 bottom
TP2#4  0.75mm  [TestPoint-0.75mm]  134.85 17.52 180 bottom
TP2#5  0.75mm  [TestPoint-0.75mm]  134.85 97.26 180 bottom
TP2#6  0.75mm  [TestPoint-0.75mm]  44.95 97.26 180 bottom
TP2#7  0.75mm  [TestPoint-0.75mm]  134.85 57.39 180 bottom
TP2#8  0.75mm  [TestPoint-0.75mm]  89.9 97.26 180 bottom
TP2#9  0.75mm  [TestPoint-0.75mm]  44.95 17.52 180 bottom
TP3  0.75mm  [TestPoint-0.75mm]  31.74 95.61 180 bottom
TP3#2  0.75mm  [TestPoint-0.75mm]  31.74 55.74 180 bottom
TP3#3  0.75mm  [TestPoint-0.75mm]  76.69 55.74 180 bottom
TP3#4  0.75mm  [TestPoint-0.75mm]  121.64 95.61 180 bottom
TP3#5  0.75mm  [TestPoint-0.75mm]  76.69 95.61 180 bottom
TP3#6  0.75mm  [TestPoint-0.75mm]  121.64 15.87 180 bottom
TP3#7  0.75mm  [TestPoint-0.75mm]  76.69 15.87 180 bottom
TP3#8  0.75mm  [TestPoint-0.75mm]  121.64 55.74 180 bottom
TP3#9  0.75mm  [TestPoint-0.75mm]  31.74 15.87 180 bottom
TP4  0.75mm  [TestPoint-0.75mm]  56.88 78.22 180 bottom
TP4#2  0.75mm  [TestPoint-0.75mm]  56.88 118.09 180 bottom
TP4#3  0.75mm  [TestPoint-0.75mm]  101.83 118.09 180 bottom
TP4#4  0.75mm  [TestPoint-0.75mm]  11.93 118.09 180 bottom
TP4#5  0.75mm  [TestPoint-0.75mm]  56.88 38.35 180 bottom
TP4#6  0.75mm  [TestPoint-0.75mm]  11.93 78.22 180 bottom
TP4#7  0.75mm  [TestPoint-0.75mm]  101.83 78.22 180 bottom
TP4#8  0.75mm  [TestPoint-0.75mm]  101.83 38.35 180 bottom
TP4#9  0.75mm  [TestPoint-0.75mm]  11.93 38.35 180 bottom
TP5  0.75mm  [TestPoint-0.75mm]  8.88 118.09 180 bottom
TP5#2  0.75mm  [TestPoint-0.75mm]  98.78 78.22 180 bottom
TP5#3  0.75mm  [TestPoint-0.75mm]  8.88 78.22 180 bottom
TP5#4  0.75mm  [TestPoint-0.75mm]  98.78 38.35 180 bottom
TP5#5  0.75mm  [TestPoint-0.75mm]  53.83 118.09 180 bottom
TP5#6  0.75mm  [TestPoint-0.75mm]  53.83 38.35 180 bottom
TP5#7  0.75mm  [TestPoint-0.75mm]  98.78 118.09 180 bottom
TP5#8  0.75mm  [TestPoint-0.75mm]  53.83 78.22 180 bottom
TP5#9  0.75mm  [TestPoint-0.75mm]  8.88 38.35 180 bottom
U1  TPD3S014  [SOT23-6]  16.38 54.34 90 top
U1#2  TPD3S014  [SOT23-6]  61.33 14.47 90 top
U1#3  TPD3S014  [SOT23-6]  61.33 94.21 90 top